# Altium PCB UAI.PcbDoc (part 1 of 2) (continued)
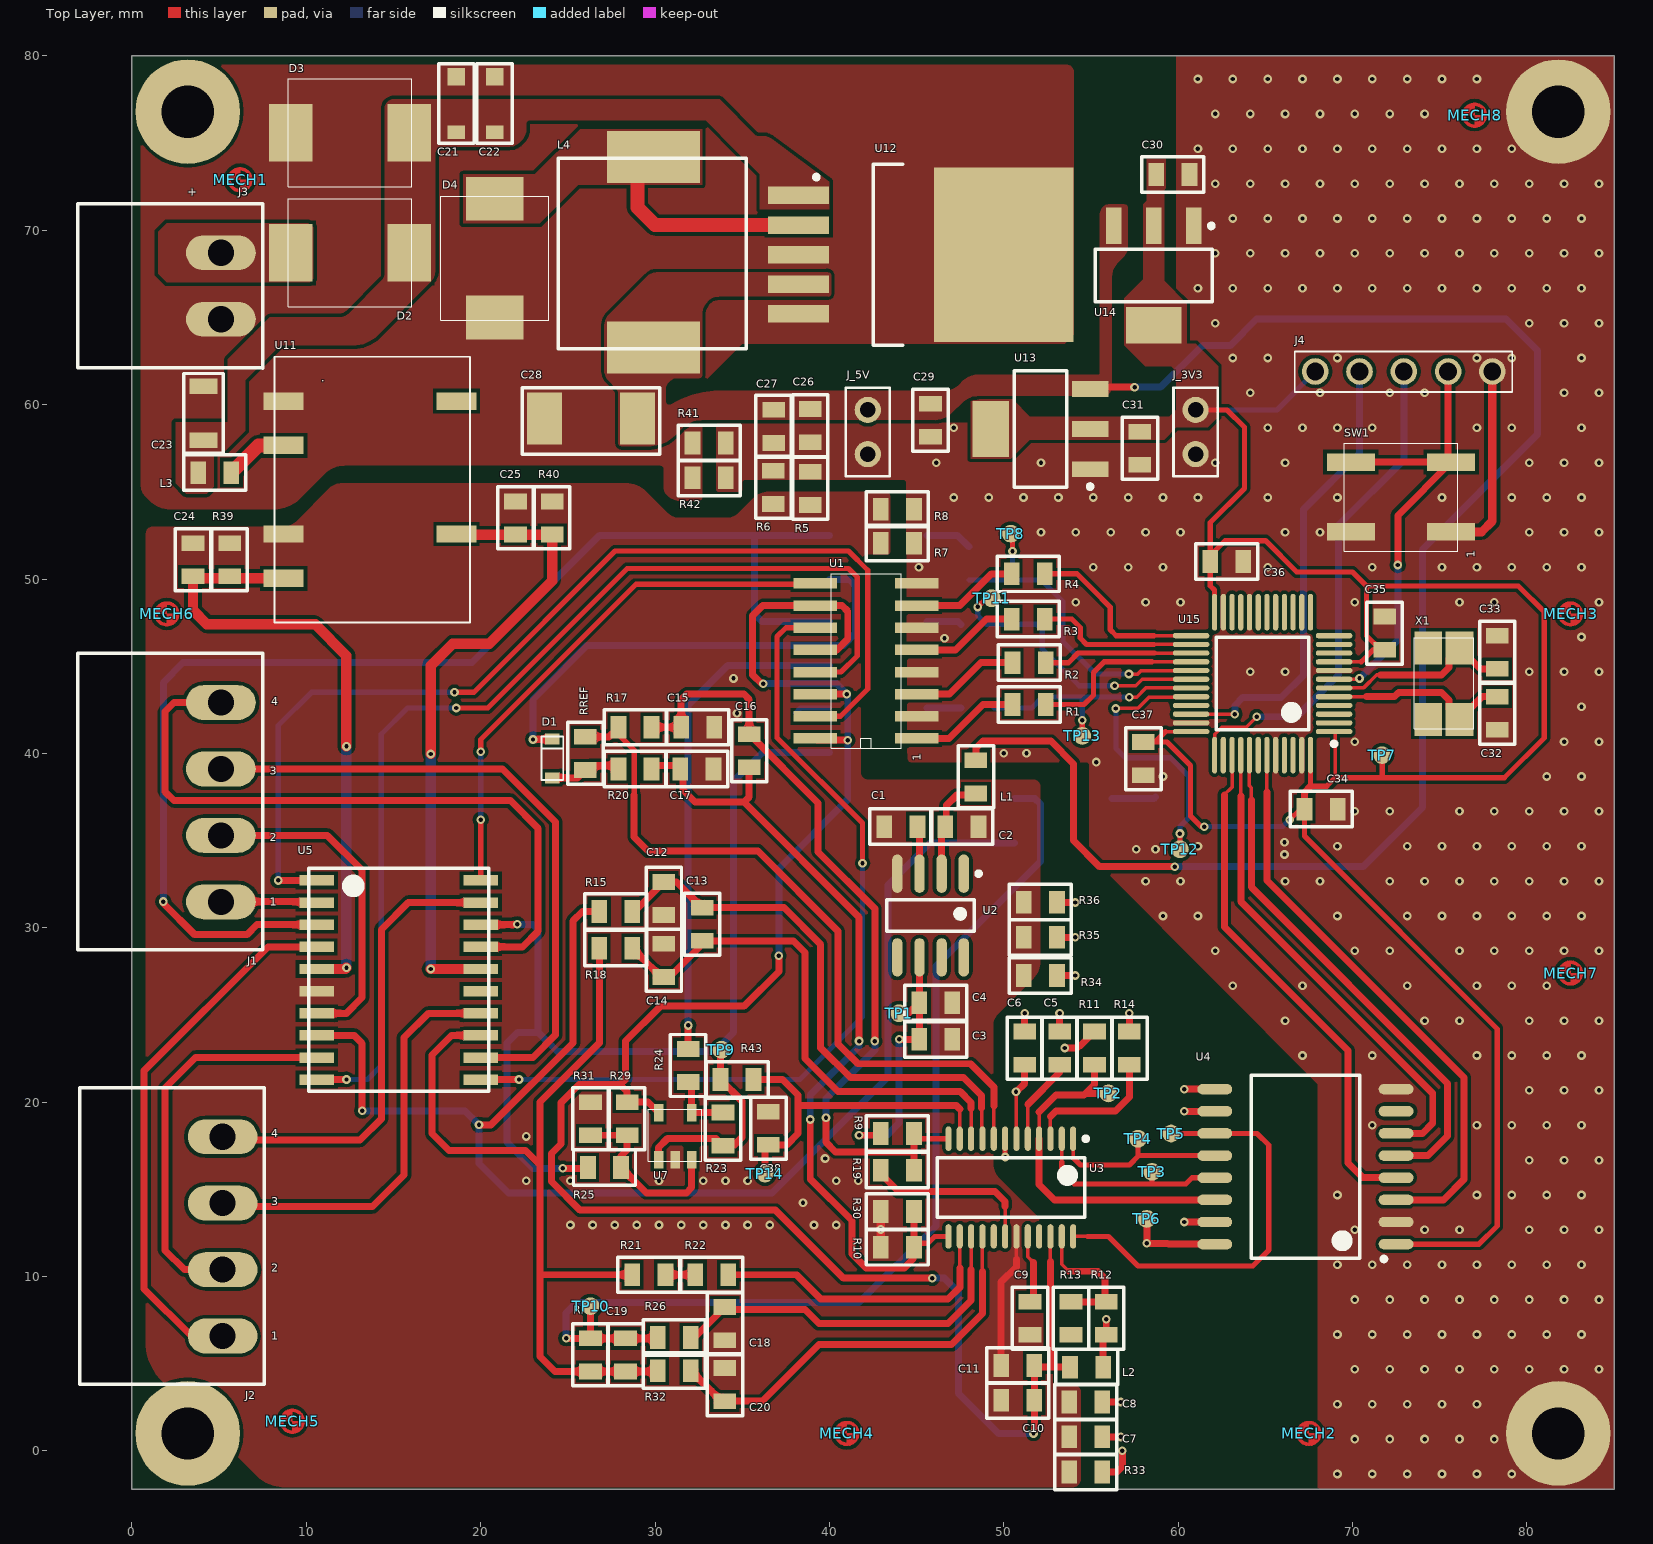
[diagram p0: Top Layer view]
## Components (designator, comment, footprint, x,y, rotation, side; value= is the part's Value field where it differs from the comment) (continued)
R35 "0R" R0805 52.1,29.449 r0 top
R36 "0R" R0805 52.1,31.465 r0 top
R37 "#NAME?" R0805 48.5,42.6 r180 bottom
R38 "CPF-A-0805B3K0E" R0805 37.1,42.3 r0 bottom
R39 "3.3K OHM 0805" R0805 5.6,51.1 r270 top
R40 "3.3K OHM 0805" R0805 24.1,53.5 r270 top
R41 "0R" R0805 33.1,57.8 r0 top
R42 "0R" R0805 33.1,55.8 r0 top
R43 "#NAME?" R0805 34.7,21.3 r0 top
RI "150 Ohms" R0805 26.3,5.5 r270 top
RREF "RN73C2A3K92BTD" R0805 26,40 r90 top
SW1 "Switch_Pushbutton_smd" SW_B3SL-1022P 72.775,54.7 r0 top
TP1 "Testpoint" tp_smd1mmcircle 44,25.1 r90 top
TP2 "Testpoint" tp_smd1mmcircle 56,20.5 r90 top
TP3 "Testpoint" tp_smd1mmcircle 58.5,16 r90 top
TP4 "Testpoint" tp_smd1mmcircle 57.7,17.9 r90 top
TP5 "Testpoint" tp_smd1mmcircle 59.6,18.2 r90 top
TP6 "Testpoint" tp_smd1mmcircle 58.2,13.3 r90 top
TP7 "Testpoint" tp_smd1mmcircle 71.7,39.9 r90 top
TP8 "Testpoint" tp_smd1mmcircle 50.4,52.6 r90 top
TP9 "Testpoint" tp_smd1mmcircle 33.8,23 r90 top
TP10 "Testpoint" tp_smd1mmcircle 26.3,8.3 r270 top
TP11 "Testpoint" tp_smd1mmcircle 49.3,48.9 r270 top
TP12 "Testpoint" tp_smd1mmcircle 60.1,34.5 r90 top
TP13 "Testpoint" tp_smd1mmcircle 54.5,41 r90 top
TP14 "Testpoint" tp_smd1mmcircle 36.3,15.9 r90 top
U1 "PS2801C-4-F3-A" "U_16_D LONG" 42.1,45.3 r90 top
U2 "AD780ARZ" SOIC-8 45.8,30.7 r270 top
U3 "AD7124-4BCPZ" TSSOP-24 50.4,15.1 r270 top
U4 "ADUM5401ARWZ-RL" DW16_L 67.3,16.3 r180 top
U5 "Analog Switch" SOIC-20W 15.3,27 r0 top
U6 "AQY282SX" CPC1017N 42.8,51.23 r180 bottom
U7 "TLV316IDBVT" SOT23-5 30.2,16.7 r0 top
U8 "AQY282SX" CPC1017N 53.4,36.13 r180 bottom
U9 "AQY282SX" CPC1017N 42.8,46.3 r180 bottom
U10 "AQY282SX" CPC1017N 42.8,41.33 r180 bottom
U11 "DC/DC CONV" ISA2415 8.7,60.2 r270 top
U12 "IC-LM2596SX-5.0/NOPB" TO-263-5 45.2,68.6 r0 top
U13 "IC-LD1117S33TR" SOT-223_L 52.1,58.6 r180 top
U14 "IC-LD1117S33TR" SOT-223_L 58.6,67.4 r270 top
U15 "IC-MC-STM32F101C8T6TR" STM-LQFP48_M 64.84,44 r180 top
X1 "ABM7-8.000MHZ" sm_osc_mixed 75.24,44 r270 top

## Footprints (in the part's own frame and the unit in brackets; to place one, negate y for a bottom-side part, rotate by r counter-clockwise, add the part's x,y. Pads: shape width x height; smd on the part's side, far side on the other; paste and mask are expansions set on the pad)
0805 [mm]
  rect 0.9x1.3 smd: 1(0,0) 2(1.9,0)
  silkscreen extent -0.83,-1.02 2.73,1.02, body extent -0.25,-0.67 2.05,0.68, height 0.76
B520C-13-F [mm] "B520C-13-F"
  rect 2.5x3.3 smd: 1(3.4,0) 2(-3.4,0)
  silkscreen extent -3.55,-3.1 3.55,3.1, body extent -4.19,-3.15 3.94,3.15, height 2.77
Bobin_SMD [mil]
  rect 118.11x210 smd: 1(-212.5,0) 2(217.5,0)
  silkscreen extent -210,-215 220,210, body extent -203,-206 203,196, height 173
C0805 [mm]
  rect 0.9x1.3 smd: 1(-0.95,0) 2(0.95,0)
  silkscreen extent -1.78,-1.02 1.78,1.02, body extent -1,-0.6 1,0.6, height 0.95
C1206 [mm]
  rect 0.9x1.6 smd: 1(-1.55,0) 2(1.55,0)
  silkscreen extent -2.29,-1.14 2.29,1.14
Case_A [mm]
  rect 0.8x1 smd: 1(-1.778,0)
  rect 1x1 smd: 2(1.397,0)
  silkscreen extent -2.41,-1.02 2.16,1.02, body extent -1.86,-0.8 1.6,0.8, height 1.65
Case_C [mm]
  rect 2x3 smd: 1(-2.667,0) 2(2.667,0)
  silkscreen extent -3.94,-1.78 3.94,2.03, body extent -3.05,-1.55 3.05,1.8, height 2.7
CONECTOR_PCB_4_90 [mm]
  oval 2x4 hole 1.5: 1(-5.715,0) 2(-1.905,0) 3(1.905,0) 4(5.715,0)
  silkscreen extent -8.47,-2.4 8.53,8.2, body extent -8.29,-1.3 8.35,8, height 7.25
"Connector 2 Ways Pitch 3,81" [mm]
  oval 2x4 hole 1.5: 1(-3.81,0) 2(0,0)
  silkscreen extent -6.61,-2.4 2.8,8.2, body extent -6.41,-1.3 2.6,8, height 7.26
CPC1017N [mm]
  oval 1.3x0.6 smd: 1(-2.8,1.27) 2(-2.8,-1.27) 3(2.8,-1.27) 4(2.8,1.27)
  silkscreen extent -3.1,-2.19 3.1,2.1, body extent -3.1,-2.19 3.1,2.1, height 2.2
DW16_L [mm] "SOIC, 16-Leads, Body 10.3x7.5mm, Pitch 1.27mm, IPC High Density"
  oval 2x0.6 smd: 1(-5.2,4.445) 2(-5.2,3.175) 3(-5.2,1.905) 4(-5.2,0.635) 5(-5.2,-0.635) 6(-5.2,-1.905) 7(-5.2,-3.175) 8(-5.2,-4.445) 9(5.2,-4.445) 10(5.2,-3.175) 11(5.2,-1.905) 12(5.2,-0.635) 13(5.2,0.635) 14(5.2,1.905) 15(5.2,3.175) 16(5.2,4.445)
  silkscreen extent -4.62,-5.25 3.1,5.42, body extent -5.31,-5.25 5.32,5.25, height 2.72
HDR1X2V [mm]
  round 1.5 hole 0.9: 1(0,0) 2(2.54,0)
  silkscreen extent -1.27,-1.27 3.81,1.27, body extent -1.27,-1.27 3.81,1.27, height 9
"Header 1x5 2.54mm" [mil]
  round 60 hole 40: 1(0,0) 2(100,0) 3(200,0) 4(300,0) 5(400,0)
  silkscreen extent -45,-45 446,46
ISA2415 [mm] "DC DC Converter"
  rect 1x2.29 smd: 1(0,0) 2(2.54,0) 4(7.62,0) 5(10.16,0) 7(7.62,9.91) 10(0,9.91)
  silkscreen extent -2.54,-0.52 12.7,10.68, body extent -2.54,-0.52 12.7,10.68, height 7.15
R0805 [mm]
  rect 0.9x1.3 smd: 1(-0.95,0) 2(0.95,0)
  silkscreen extent -1.78,-1.02 1.78,1.02, body extent -1.15,-0.67 1.15,0.68, height 0.76
sm_osc_mixed [mm]
  rect 1.9x1.6 smd: 1(-2.05,0.9) 2(2.05,0.9) 3(2.05,-0.9) 4(-2.05,-0.9)
  silkscreen extent -2.62,-1.7 2.58,1.7, body extent -3.1,-1.85 3.1,1.85, height 1.44
SOD-323 [mm]
  rect 0.63x0.83 smd: 1(2.225,0) 2(0,0)
  silkscreen extent -0.13,-0.64 2.37,0.62, body extent -0.13,-0.64 2.37,0.61, height 0.9
SOIC-8 [mm]
  oval 2.2x0.6 smd: 1(-2.4,1.905) 2(-2.4,0.635) 3(-2.4,-0.635) 4(-2.4,-1.905) 5(2.4,-1.905) 6(2.4,-0.635) 7(2.4,0.635) 8(2.4,1.905)
  silkscreen extent -2.52,-2.5 0.9,2.88, body extent -3,-2.45 3,2.45, height 1.75
SOIC-20W [mm]
  rect 2x0.6 smd: 1(-4.7,5.715) 2(-4.7,4.445) 3(-4.7,3.175) 4(-4.7,1.905) 5(-4.7,0.635) 6(-4.7,-0.635) 7(-4.7,-1.905) 8(-4.7,-3.175) 9(-4.7,-4.445) 10(-4.7,-5.715) 11(4.7,-5.715) 12(4.7,-4.445) 13(4.7,-3.175) 14(4.7,-1.905) 15(4.7,-0.635) 16(4.7,0.635) 17(4.7,1.905) 18(4.7,3.175) 19(4.7,4.445) 20(4.7,5.715)
  silkscreen extent -5.15,-6.38 5.15,6.42, body extent -5.15,-6.38 5.15,6.42, height 2.7
SOT23-5 [mm] "R-PDSO-N5"
  rect 0.55x1 smd mask+0.05: 1(0,0) 2(0.95,0) 3(1.9,0) 4(1.9,2.7) 5(0,2.7)
  silkscreen extent -0.59,-0.1 2.46,2.9, body extent -0.59,-0.1 2.46,2.9, height 1.3
SOT-223_L [mm]
  rect 2.1x0.9 smd: 1(-2.85,2.3) 2(-2.85,0) 3(-2.85,-2.3)
  rect 2.1x3.2 smd: 4(2.85,0)
  silkscreen extent -2.98,-3.35 1.5,3.42, body extent -3.58,-3.25 3.38,3.25, height 1.9
STM-LQFP48_M [mm] "QFP, 48-Leads, Body 7x7mm, Pitch 0.5mm, IPC Low Density"
  oval 2.1x0.3 smd mask+0.1: 1(-4.1,2.75) 2(-4.1,2.25) 3(-4.1,1.75) 4(-4.1,1.25) 5(-4.1,0.75) 6(-4.1,0.25) 7(-4.1,-0.25) 8(-4.1,-0.75) 9(-4.1,-1.25) 10(-4.1,-1.75) 11(-4.1,-2.25) 12(-4.1,-2.75) 25(4.1,-2.75) 26(4.1,-2.25) 27(4.1,-1.75) 28(4.1,-1.25) 29(4.1,-0.75) 30(4.1,-0.25) 31(4.1,0.25) 32(4.1,0.75) 33(4.1,1.25) 34(4.1,1.75) 35(4.1,2.25) 36(4.1,2.75)
  oval 0.3x2.1 smd mask+0.1: 13(-2.75,-4.1) 14(-2.25,-4.1) 15(-1.75,-4.1) 16(-1.25,-4.1) 17(-0.75,-4.1) 18(-0.25,-4.1) 19(0.25,-4.1) 20(0.75,-4.1) 21(1.25,-4.1) 22(1.75,-4.1) 23(2.25,-4.1) 24(2.75,-4.1) 37(2.75,4.1) 38(2.25,4.1) 39(1.75,4.1) 40(1.25,4.1) 41(0.75,4.1) 42(0.25,4.1) 43(-0.25,4.1) 44(-0.75,4.1) 45(-1.25,4.1) 46(-1.75,4.1) 47(-2.25,4.1) 48(-2.75,4.1)
  silkscreen extent -4.23,-2.65 2.65,3.57, body extent -4.5,-4.5 4.5,4.5, height 1.5
SW_B3SL-1022P [mm] "SW_B3SL-1022P"
  rect 2.75x1 smd: 1(2.875,-2) 2(-2.875,-2) 3(2.875,2) 4(-2.875,2)
  silkscreen extent -3.25,-3.1 3.25,3.1, body extent -4.02,-3.25 3.98,3.25, height 7
T-Fidicuals [mm] "Fidicuals"
  Top Layer region: 0,-0.625 -0.375,-0.5 -0.625,-0.25 -0.625,0 0,0
  Top Layer region: 0.625,0 0,0 0,0.625 0.375,0.5 0.625,0.25
  Top Layer lines w0.203: 0,0.625 cw(c0,0) 0,-0.625 cw(c0,0) 0,0.625
TO-263-5 [mm] "D2-PAK, 6-Leads, Body 8.6x10.2mm, Pitch 1.7mm, Lead Span 14.1mm, IPC High Density"
  rect 3.5x1 smd mask+0.5: 1(-6.966,3.4) 2(-6.966,1.7) 3(-6.966,0) 4(-6.966,-1.7) 5(-6.966,-3.4)
  rect 8x10 smd: 6(4.8,0)
  silkscreen extent -6.07,-5.2 -1,5.2, body extent -7.93,-5.15 7.3,5.15, height 4.7
tp_smd1mmcircle [mil] "TP_SMD1MMCIRCLE"
  round 40 smd: 1(0,0)
TSSOP-24 [mm]
  oval 1.4x0.35 smd: 1(-2.8,3.575) 2(-2.8,2.925) 3(-2.8,2.275) 4(-2.8,1.625) 5(-2.8,0.975) 6(-2.8,0.325) 7(-2.8,-0.325) 8(-2.8,-0.975) 9(-2.8,-1.625) 10(-2.8,-2.275) 11(-2.8,-2.925) 12(-2.8,-3.575) 13(2.8,-3.575) 14(2.8,-2.925) 15(2.8,-2.275) 16(2.8,-1.625) 17(2.8,-0.975) 18(2.8,-0.325) 19(2.8,0.325) 20(2.8,0.975) 21(2.8,1.625) 22(2.8,2.275) 23(2.8,2.925) 24(2.8,3.575)
  silkscreen extent -2.92,-4.21 1.7,4.43, body extent -3.25,-3.94 3.3,3.96, height 1.2
"U_16_D LONG" [mm] "U_16_D"
  rect 0.6x2.5 smd: 1(-4.445,-2.908) 2(-3.175,-2.908) 3(-1.905,-2.908) 4(-0.635,-2.908) 5(0.635,-2.908) 6(1.905,-2.908) 7(3.175,-2.908) 8(4.445,-2.908) 9(4.445,2.908) 10(3.175,2.908) 11(1.905,2.908) 12(0.635,2.908) 13(-0.635,2.908) 14(-1.905,2.908) 15(-3.175,2.908) 16(-4.445,2.908)
  silkscreen extent -5,-2.01 5,2.01, body extent -5,-3.04 5,3.04, height 1.65

## Part data
C1 C35 C36 C37: library part C-10NF,0805, "CAP CER 10000PF 16V NP0 0805", Manufacturer="AVX Corporation", Manufacturer Part Number=0805YA103JAT2A, Operating Temperature="-55°C ~ 125°C", Package / Case="0805 (2012 Metric)", Ratings=-, Supplier Part Number 1=478-1334-1-ND, Temperature Coefficient="C0G, NP0", Tolerance=±5%, Voltage - Rated=16V, Applications="General Purpose", Capacitance=10nF, Category=Capacitors, ComponentLink1Description=http://datasheets.avx.com/C0GNP0-Dielectric.pdf, ComponentLink1URL=http://datasheets.avx.com/C0GNP0-Dielectric.pdf, Features=-, Height - Seated (Max)=-, Lead Spacing=-, Lead Style=-, Mounting Type="Surface Mount, MLCC", Packaging="Cut Tape (CT)", Pricing 1="1=0.29, 10=0.204, 25=0.1668, 50=0.1424, 100=0.1221, 250=0.10176, 500=0.09158, 1000=0.07733 (USD)", RoHS="RoHS Compliant", Size / Dimension="0.079\" L x 0.049\" W (2.01mm x 1.25mm)", Stock 1=28062, Supplier 1=Digi-Key, Thickness (Max)="0.037\" (0.94mm)"
C2 C3: library part C-10UF,16V,0805, "AVX - 0805YD106KAT2A - CAP, MLCC, X5R, 10UF, 16V, 0805", Manufacturer="AVX Corporation", Manufacturer Part Number=0805YD106KAT2A, Operating Temperature="-55°C ~ 85°C", Package / Case="0805 (2012 Metric)", Ratings=-, Supplier Part Number 1=478-5165-6-ND, Temperature Coefficient=X5R, Tolerance=±10%, Voltage - Rated=16V, Applications="General Purpose", Capacitance=10µF, Category=Capacitors, ComponentLink1Description=http://datasheets.avx.com/cx5r.pdf, ComponentLink1URL=http://datasheets.avx.com/cx5r.pdf, Features=-, Height - Seated (Max)=-, Lead Spacing=-, Lead Style=-, Mounting Type="Surface Mount, MLCC", Packaging=Digi-Reel®, Pricing 1="1=0.18, 10=0.124, 25=0.0908, 50=0.0742, 100=0.0627, 250=0.05116, 500=0.0429, 1000=0.03795 (USD)", RoHS="RoHS Compliant", Size / Dimension="0.079\" L x 0.049\" W (2.01mm x 1.25mm)", Stock 1=293738, Supplier 1=Digi-Key, Thickness (Max)="0.055\" (1.40mm)"
C4 C5 C6 C8 C9 C10 C27 C29 C30 C31 C38: library part C-100NF,16V,0805, "AVX - 0805YA103JAT2A - CAP, MLCC, C0G/NP0, 10NF, 16V, 0805", Manufacturer=AVX, Manufacturer Part Number=0805YA103JAT2A, Operating Temperature="-55°C ~ 125°C", Package / Case="0805 (2012 Metric)", Ratings=-, Supplier Part Number 1=478-1334-1-ND, Temperature Coefficient="C0G, NP0", Tolerance=±5%, Voltage - Rated=16V, Applications="General Purpose", Capacitance=100nF, Category=Capacitors, ComponentLink1Description=http://www.avx.com/docs/Catalogs/ccog.pdf, ComponentLink1URL=http://www.avx.com/docs/Catalogs/ccog.pdf, ComponentLink2Description=http://www.farnell.com/datasheets/1825494.pdf, ComponentLink2URL=http://www.farnell.com/datasheets/1825494.pdf, ComponentLink3Description=http://datasheets.avx.com/C0GNP0-Dielectric.pdf, ComponentLink3URL=http://datasheets.avx.com/C0GNP0-Dielectric.pdf, Features=-, Height - Seated (Max)=-, Lead Spacing=-, Lead Style=-, Mounting Type="Surface Mount, MLCC", Packaging="Cut Tape (CT)", Pricing 1="1=0.29, 10=0.204, 25=0.1668, 50=0.1424, 100=0.1221, 250=0.10176, 500=0.09158, 1000=0.07733 (USD)", RoHS=YES, Size / Dimension="0.079\" L x 0.049\" W (2.01mm x 1.25mm)", Stock 1=28062, Supplier 1=Digi-Key, Thickness (Max)="0.037\" (0.94mm)"
C7 C11 C26: library part C-1UF,16V,0805, "AVX - 0805YC105KAT2A - CAP, MLCC, X7R, 1UF, 16V, 0805", Manufacturer="AVX Corporation", Manufacturer Part Number=0805YC105KAT2A, Operating Temperature="-55°C ~ 125°C", Package / Case="0805 (2012 Metric)", Ratings=-, Supplier Part Number 1=478-5034-1-ND, Temperature Coefficient=X7R, Tolerance=±10%, Voltage - Rated=16V, Applications="General Purpose", Capacitance=1µF, Category=Capacitors, ComponentLink1Description=http://datasheets.avx.com/X7RDielectric.pdf, ComponentLink1URL=http://datasheets.avx.com/X7RDielectric.pdf, Features=-, Height - Seated (Max)=-, Lead Spacing=-, Lead Style=-, Mounting Type="Surface Mount, MLCC", Packaging="Cut Tape (CT)", Pricing 1="1=0.19, 10=0.132, 25=0.0964, 50=0.075, 100=0.0622, 250=0.05148, 500=0.04362, 1000=0.03611 (USD)", RoHS="RoHS Compliant", Size / Dimension="0.079\" L x 0.049\" W (2.01mm x 1.25mm)", Stock 1=76930, Supplier 1=Digi-Key, Thickness (Max)="0.055\" (1.40mm)"
C12 C14 C15 C17 C18 C20: library part C-1nF,50V,0805, "CAP CER 1000PF 50V X7R 0805", Capacitance=1000pF, Manufacturer=Kemet, Operating Temperature="-55°C ~ 125°C", Package / Case="0805 (2012 Metric)", Ratings=-, Supplier Part Number 1=399-7361-2-ND, Temperature Coefficient=X7R, Tolerance=±10%, Voltage - Rated=50V, Applications="General Purpose", Category=Capacitors, ComponentLink1Description=http://www.kemet.com/docfinder?Partnumber=C0805C102K5RAC7411, ComponentLink1URL=http://www.kemet.com/docfinder?Partnumber=C0805C102K5RAC7411, Features="Low ESL", Height - Seated (Max)=-, Lead Spacing=-, Lead Style=-, Manufacturer Part Number=C0805C102K5RAC7411, Mounting Type="Surface Mount, MLCC", Packaging="Tape & Reel (TR)", Pricing 1="15000=0.0062, 30000=0.00589, 75000=0.00527, 105000=0.00426 (USD)", RoHS="RoHS Compliant", Size / Dimension="0.079\" L x 0.049\" W (2.00mm x 1.25mm)", Stock 1=60000, Supplier 1=Digi-Key, Thickness (Max)="0.035\" (0.88mm)"
C13 C16 C19: library part C-10NF,16V,0805, "CAP CER 10000PF 16V NP0 0805", Manufacturer="AVX Corporation", Manufacturer Part Number=0805YA103JAT2A, Operating Temperature="-55°C ~ 125°C", Package / Case="0805 (2012 Metric)", Ratings=-, Supplier Part Number 1=478-1334-1-ND, Temperature Coefficient="C0G, NP0", Tolerance=±5%, Voltage - Rated=16V, Applications="General Purpose", Capacitance=10nF, Category=Capacitors, ComponentLink1Description=http://datasheets.avx.com/C0GNP0-Dielectric.pdf, ComponentLink1URL=http://datasheets.avx.com/C0GNP0-Dielectric.pdf, Features=-, Height - Seated (Max)=-, Lead Spacing=-, Lead Style=-, Mounting Type="Surface Mount, MLCC", Packaging="Cut Tape (CT)", Pricing 1="1=0.29, 10=0.204, 25=0.1668, 50=0.1424, 100=0.1221, 250=0.10176, 500=0.09158, 1000=0.07733 (USD)", RoHS="RoHS Compliant", Size / Dimension="0.079\" L x 0.049\" W (2.01mm x 1.25mm)", Stock 1=28062, Supplier 1=Digi-Key, Thickness (Max)="0.037\" (0.94mm)"
C21 C22: library part C-T491A105K035AT, Capacitance=1µF, ESR (Equivalent Series Resistance)="7 Ohm", Lifetime @ Temp.="2000 Hrs @ 85°C", Manufacturer=Kemet, Manufacturer Part Number=T491A105K035AT, Manufacturer Size Code=A, Operating Temperature="-55°C ~ 125°C", Package / Case="1206 (3216 Metric)", Tolerance=±10%, Voltage - Rated=35V, Category=Capacitors, ComponentLink1Description=http://www.kemet.com/Lists/ProductCatalog/Attachments/254/KEM_T2005_T491.pdf, ComponentLink1URL=http://www.kemet.com/Lists/ProductCatalog/Attachments/254/KEM_T2005_T491.pdf, Features="General Purpose", Height - Seated (Max)="0.071\" (1.80mm)", Lead Spacing=-, Mounting Type="Surface Mount", Packaging="Cut Tape (CT)", Pricing 1="1=0.4, 10=0.354, 50=0.2146, 100=0.1768, 250=0.1414, 500=0.12878, 1000=0.11615 (USD)", RoHS="RoHS Compliant", Size / Dimension="0.126\" L x 0.063\" W (3.20mm x 1.60mm)", Stock 1=10565, Supplier 1=Digi-Key, Type=Molded
C23: library part C-4.7UF,50V,1206, "CAP CER 4.7UF 50V X7R 1206", Capacitance=4.7µF, Manufacturer="Samsung Electro-Mechanics America, Inc.", Manufacturer Part Number=CL31B475KBHNNNE, Operating Temperature="-55°C ~ 125°C", Package / Case="1206 (3216 Metric)", Ratings=-, Supplier Part Number 1=1276-2789-6-ND, Temperature Coefficient=X7R, Tolerance=±10%, Voltage - Rated=50V, Applications="General Purpose", Category=Capacitors, ComponentLink1Description=http://www.samsungsem.com/kr/support/product-search/mlcc/CL31B475KBHNNNE.jsp, ComponentLink1URL=http://www.samsungsem.com/kr/support/product-search/mlcc/CL31B475KBHNNNE.jsp, Features=-, Height - Seated (Max)=-, Lead Spacing=-, Lead Style=-, Mounting Type="Surface Mount, MLCC", Packaging=Digi-Reel®, Pricing 1="1=0.34, 10=0.28, 25=0.1928, 50=0.1576, 100=0.1401, 500=0.0928, 1000=0.0823 (USD)", RoHS="RoHS Compliant", Size / Dimension="0.126\" L x 0.063\" W (3.20mm x 1.60mm)", Stock 1=128633, Supplier 1=Digi-Key, Thickness (Max)="0.071\" (1.80mm)"
C24 C25: library part C-1UF,50V, "CAP CER 1UF 50V X7R 0805", Capacitance=1µF, Manufacturer="Samsung Electro-Mechanics America, Inc.", Manufacturer Part Number=CL21B105KBFNNNE, Operating Temperature="-55°C ~ 125°C", Package / Case="0805 (2012 Metric)", Ratings=-, Supplier Part Number 1=1276-1029-6-ND, Temperature Coefficient=X7R, Tolerance=±10%, Voltage - Rated=50V, Applications="General Purpose", Category=Capacitors, ComponentLink1Description=http://www.samsungsem.com/kr/support/product-search/mlcc/CL21B105KBFNNNE.jsp, ComponentLink1URL=http://www.samsungsem.com/kr/support/product-search/mlcc/CL21B105KBFNNNE.jsp, Features=-, Height - Seated (Max)=-, Lead Spacing=-, Lead Style=-, Mounting Type="Surface Mount, MLCC", Packaging=Digi-Reel®, Pricing 1="1=0.21, 10=0.143, 25=0.104, 50=0.0866, 100=0.0727, 500=0.05194, 1000=0.04414 (USD)", RoHS="RoHS Compliant", Size / Dimension="0.079\" L x 0.049\" W (2.00mm x 1.25mm)", Stock 1=162738, Supplier 1=Digi-Key, Thickness (Max)="0.053\" (1.35mm)"
C28: library part "C-10UF,TANTAL C", "CAP TANT 100UF 10V 10% 2413", ESR (Equivalent Series Resistance)="1.2 Ohm", Lifetime @ Temp.="2000 Hrs @ 85°C", Manufacturer=Kemet, Manufacturer Part Number=T491C107K010AT, Manufacturer Size Code=C, Operating Temperature="-55°C ~ 125°C", Package / Case="2413 (6032 Metric)", Supplier Part Number 1=399-8338-1-ND, Tolerance=±10%, Voltage - Rated=10V, Capacitance=100µF, Category=Capacitors, ComponentLink1Description=http://www.kemet.com/Lists/ProductCatalog/Attachments/254/KEM_T2005_T491.pdf, ComponentLink1URL=http://www.kemet.com/Lists/ProductCatalog/Attachments/254/KEM_T2005_T491.pdf, Features="General Purpose", Height - Seated (Max)="0.110\" (2.80mm)", Lead Spacing=-, Mounting Type="Surface Mount", Packaging="Cut Tape (CT)", Pricing 1="1=2.2, 10=1.804, 50=1.584, 100=1.276, 250=1.056 (USD)", RoHS="RoHS Compliant", Size / Dimension="0.236\" L x 0.126\" W (6.00mm x 3.20mm)", Stock 1=1879, Supplier 1=Digi-Key, Type=Molded
C32 C33: library part C-18PF,50V,0805, "MULTICOMP - MC0805N180J500CT - CAP, MLCC, C0G/NP0, 18PF, 50V,0805, REEL", capacitance_tolerance=±5%, dielectric_characteristic=C0G/NP0, Manufacturer=Multicomp, Manufacturer Part Number=MC0805N180J500CT, Supplier Part Number 1="Newark - 06R4039", voltage_rating_dc=50V, Capacitance=18PF, ComponentLink1Description=http://datasheet.octopart.com/MC0805N180J500CT-Multicomp-datasheet-16478625.pdf, ComponentLink1URL=http://datasheet.octopart.com/MC0805N180J500CT-Multicomp-datasheet-16478625.pdf, ComponentLink2Description=http://datasheet.octopart.com/MC0805N180J500CT-Multicomp-datasheet-22150886.pdf, ComponentLink2URL=http://datasheet.octopart.com/MC0805N180J500CT-Multicomp-datasheet-22150886.pdf, ComponentLink3Description=http://datasheet.octopart.com/MC0805N180J500CT-Multicomp-datasheet-8445804.pdf, ComponentLink3URL=http://datasheet.octopart.com/MC0805N180J500CT-Multicomp-datasheet-8445804.pdf, ComponentLink4Description=http://datasheet.octopart.com/MC0805N180J500CT-Multicomp-datasheet-34215986.pdf, ComponentLink4URL=http://datasheet.octopart.com/MC0805N180J500CT-Multicomp-datasheet-34215986.pdf, ComponentLink5Description=http://datasheet.octopart.com/MC0805N180J500CT-Multicomp-datasheet-26590290.pdf, ComponentLink5URL=http://datasheet.octopart.com/MC0805N180J500CT-Multicomp-datasheet-26590290.pdf, ComponentLink6Description=http://datasheet.octopart.com/MC0805N180J500CT-Multicomp-datasheet-15500401.pdf, ComponentLink6URL=http://datasheet.octopart.com/MC0805N180J500CT-Multicomp-datasheet-15500401.pdf, ComponentLink7Description=http://datasheet.octopart.com/MC0805N180J500CT-Multicomp-datasheet-10838970.pdf, ComponentLink7URL=http://datasheet.octopart.com/MC0805N180J500CT-Multicomp-datasheet-10838970.pdf, OctopartID=811748bd0de05ed0, Octopart Url=http://octopart.com/mc0805n180j500ct-multicomp-10529169, pin_count=2, Pricing 1="1=0.11400, 10=0.07300, 50=0.04100, 100=0.03200, 250=0.02600, 500=0.02200, 1000=0.01800 (USD)", reach_svhc_compliance="No SVHC", rohs_status=Compliant, Seller Landing  Url=https://octopart-clicks.com/click/track?country=TR&ak=8157f166&sig=03c9fd1&sid=2402&ppid=10529169&vpid=17760821&ct=offers, Stock 1=3187, Supplier 1=Octopart
C34: library part C-4.7UF,16V,0805, "AVX - 0805YC475KAT2A - CAP, MLCC, X7R, 4.7UF, 16V, 0805", Manufacturer="AVX Corporation", Manufacturer Part Number=0805YC475KAT2A, Operating Temperature="-55°C ~ 125°C", Package / Case="0805 (2012 Metric)", Ratings=-, Supplier Part Number 1=478-5722-1-ND, Temperature Coefficient=X7R, Tolerance=±10%, Voltage - Rated=16V, Applications="General Purpose", Capacitance=4.7µF, Category=Capacitors, ComponentLink1Description=http://datasheets.avx.com/X7RDielectric.pdf, ComponentLink1URL=http://datasheets.avx.com/X7RDielectric.pdf, Features=-, Height - Seated (Max)=-, Lead Spacing=-, Lead Style=-, Mounting Type="Surface Mount, MLCC", Packaging="Cut Tape (CT)", Pricing 1="1=0.78, 10=0.578, 25=0.4952, 50=0.462, 100=0.396, 250=0.363, 500=0.3135, 1000=0.264 (USD)", RoHS="RoHS Compliant", Size / Dimension="0.079\" L x 0.049\" W (2.01mm x 1.25mm)", Stock 1=16611, Supplier 1=Digi-Key, Thickness (Max)="0.060\" (1.52mm)"
D1: "DIODES INC. - 1N4148WS-7-F - DIODE, SS SWITCH, 75V, 0.2W, SOD323", Diode Case Style=SOD-323, Forward Current If(AV)=150, Forward Surge Current Ifsm Max=2, Forward Voltage VF Max=1.25, Manufacturer="DIODES INC.", Manufacturer Part Number=1N4148WS-7-F, Operating Temperature Min=-65, Operating Temperature Range="-65°C to +150°C<!--FANDB--><div class=\"features-and-benefits-container\"><div class=\"features-and-benefits-description\"><span class=\"features-benefits-value\">The 1N4148WS-7-F is a surface mount fast Switching Diode with matte tin-plated terminals and an UL94V-0 green molding compound molded plastic case. Solderable terminals as per MIL-STD-202, method 208 standard. Color band denotes cathode end polarity. It is suitable for general purpose switching applications.</span></div><div class=\"features-and-benefits-list\"><ul class=\"features-and-benefits-list-list\"><li class=\"features-and-benefits-list-item\">Fast switching speed</li><li class=\"features-and-benefits-list-item\">100V Non-repetitive peak reverse voltage</li><li class=\"features-and-benefits-list-item\">53V RMS reverse voltage</li><li class=\"features-and-benefits-list-item\">200mW Power dissipation</li><li class=\"features-and-benefits-list-item\">625", Repetitive Reverse Voltage Vrrm Max=75, Supplier Part Number 1=1843678, ComponentLink1Description=http://www.farnell.com/datasheets/1911818.pdf, ComponentLink1URL=http://www.farnell.com/datasheets/1911818.pdf, Diode Configuration=Single, Diode Type=Switching, MSL="MSL 1 - Unlimited", No. of Pins=2, Operating Temperature Max=150, Packaging="Cut Tape", Pricing 1="1=0.186, 25=0.142, 100=0.0928, 250=0.0514, 500=0.0433, 1000=0.0256, 3000=0.025, 8000=0.0239 (GBP)", Product Range="1N4148 Series", Reverse Recovery Time trr Max=4, RoHS=YES, Stock 1=52116, Supplier 1=Farnell, SVHC="No SVHC (17-Dec-2015)"
D2 D3 D4: library part "D-B540C-13-F SCHOTTKY 40V 5A SMC", "DIODE SCHOTTKY 40V 5A SMC", Capacitance @ Vr, F="300pF @ 4V, 1MHz", Current - Average Rectified (Io)=5A, Current - Average Rectified (Io) (per Diode)="215mA (DC)", Current - Reverse Leakage @ Vr="500µA @ 40V", Manufacturer="Diodes Incorporated", Operating Temperature - Junction="-55°C ~ 125°C", Package / Case="DO-214AB, SMC", Supplier Device Package=SMC, Supplier Part Number 1=B540C-FDICT-ND, Voltage - DC Reverse (Vr) (Max)=40V, Voltage - Forward (Vf) (Max) @ If="550mV @ 5A", Category="Discrete Semiconductor Products", ComponentLink1Description=http://www.diodes.com/_files/datasheets/ds13012.pdf, ComponentLink1URL=http://www.diodes.com/_files/datasheets/ds13012.pdf, ComponentLink2Description=http://www.nxp.com/documents/data_sheet/BAV99_SER.pdf, ComponentLink2URL=http://www.nxp.com/documents/data_sheet/BAV99_SER.pdf, Diode Configuration="1 Pair Series Connection", Diode Type=Schottky, Manufacturer Part Number=B540C-13-F, Mounting Type="Surface Mount", Packaging="Cut Tape (CT)", Pricing 1="1=0.5, 10=0.426, 100=0.3179, 500=0.2497, 1000=0.1925 (USD)", Pricing 2="1=0.13, 10=0.115, 100=0.0626, 500=0.0385, 1000=0.02627 (USD)", Reverse Recovery Time (trr)=-, RoHS="RoHS Compliant", Speed="Fast Recovery =< 500ns, > 200mA (Io)", Stock 1=21029, Stock 2=58594, Supplier 1=Digi-Key, Supplier 2=Digi-Key, Supplier Part Number 2=568-5005-1-ND